# Altium PCB Scratch.PcbDoc (continued)
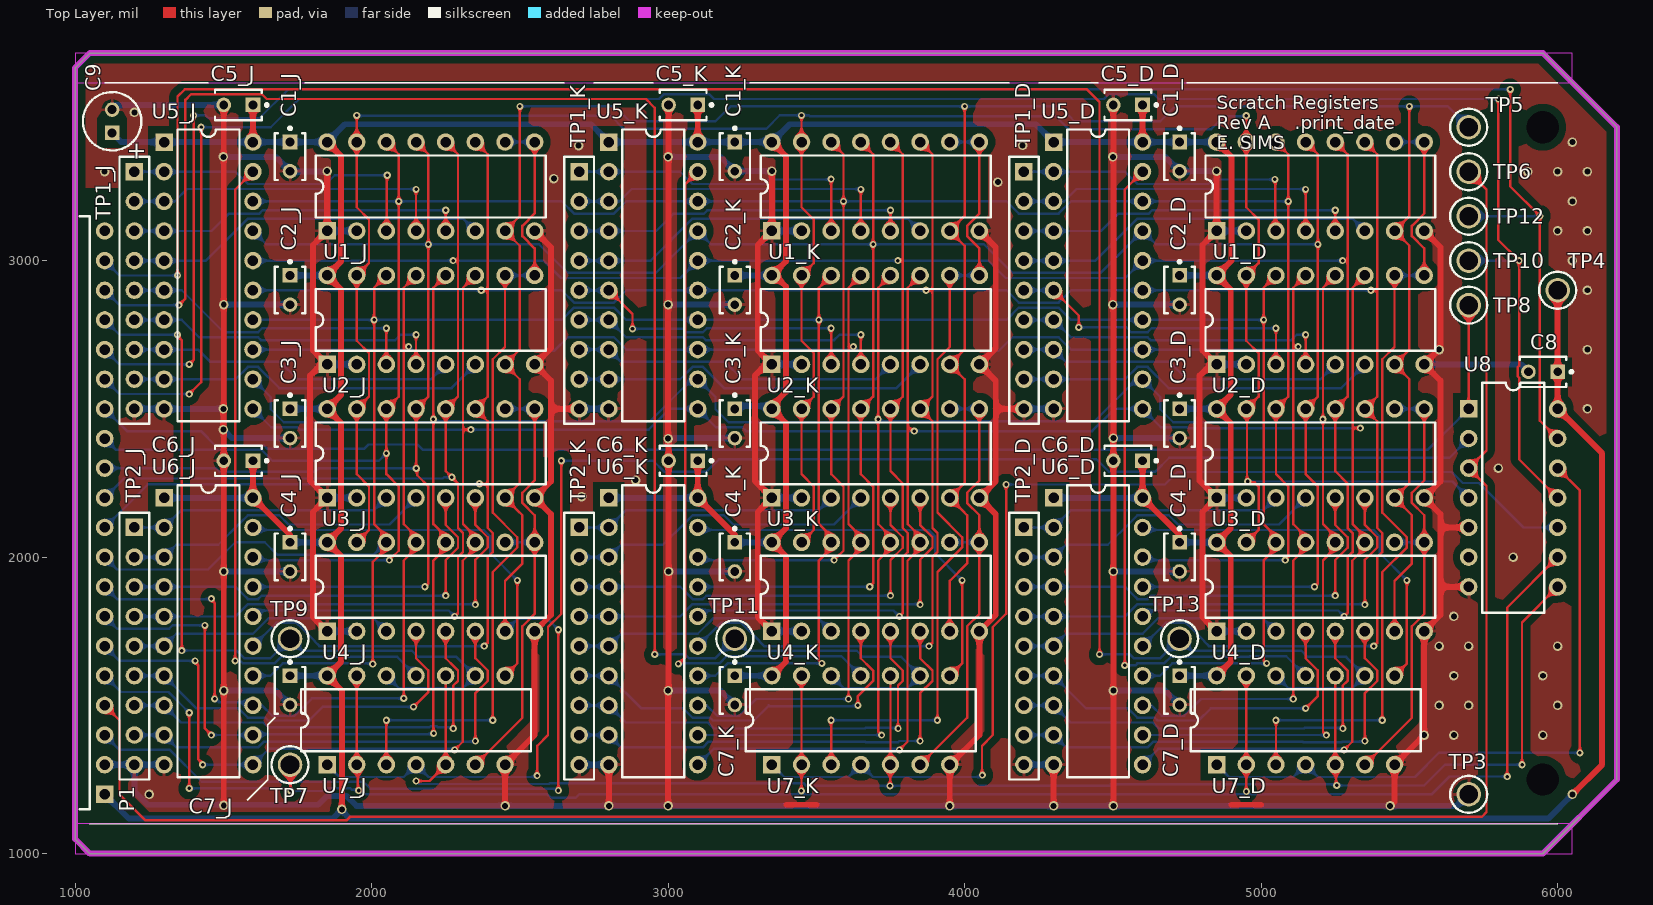
[diagram p0: Top Layer view]
## Nets (pads, with @x,y where several pads share a name; then routed paths per layer and width w, separated by ;. In a path a pad name is that pad's centre, name@x,y a point inside that pad or via, vN(x,y) a via of type N, cw(c..) or ccw(c..) an arc to the next point about the centre after c; other vN are vias at no path point) (continued)
CLK: P1.3 TP5.1 U1_D.7 U1_J.7 U1_K.7 U2_D.7 U2_J.7 U2_K.7 U3_D.7 U3_J.7 U3_K.7 U4_D.7 U4_J.7 U4_K.7 | length 11440.8
  Top Layer w8: U4_J.7 2450,1920 2508.47,1978.47 2508.47,2141.53 2492.6,2157.4 U3_J.7 2500,2250 2500,2600 U2_J.7 2500,2700 2500,3050 U1_J.7 2500,3150 v1(2500,3520) ; v1(2630,1213) v1(2630,1755) ; U4_K.7 3950,1920 4008.47,1978.47 4008.47,2141.53 3992.6,2157.4 U3_K.7 4000,2250 4000,2600 U2_K.7 4000,2700 4000,3050 U1_K.7 4000,3150 v1(4000,3520) ; U4_D.7 5450,1920 5508.47,1978.47 5508.47,2141.53 5492.6,2157.4 U3_D.7 5500,2250 5500,2600 U2_D.7 5500,2700 5500,3050 U1_D.7 5500,3150 v1(5500,3520)
  Bottom Layer w8: P1.3 1150,1350 1320,1350 1427.53,1242.47 1972.53,1242.47 1996,1219 2626,1219 2630,1215 v1(2630,1213) ; U4_J.7 2491.53,1791.53 2593.47,1791.53 v1(2630,1755) ; v1(2500,3520) 2820,3520 2851.61,3488.39 2870,3470 3160,3470 3210,3520 v1(4000,3520) 4320,3520 4351.61,3488.39 4370,3470 4660,3470 4710,3520 v1(5500,3520) 5630,3520 TP5.1
DI: U7_D.1 U7_D.4 U8.12 | length 2301.4
  Top Layer w8: U8.12 6075,2225 v1(6075,1340)
  Bottom Layer w8: U7_D.1 4891.53,1258.47 5108.47,1258.47 U7_D.4 5191.53,1258.47 5518.47,1258.47 5600,1340 v1(6075,1340)
DI#: P1.16 TP12.1 U8.13 | length 7120.4
  Top Layer w8: v1(1385,2650) 1400,2665 v1(1400,3490) ; v1(5840,3577.61) 5840,3250 v1(5940,3150) 5940,2460 U8.13
  Bottom Layer w8: P1.16 1150,2650 v1(1385,2650) ; v1(1400,3490) 1440,3490 1450,3480 1621.18,3480 1718.79,3577.61 v1(5840,3577.61) ; TP12.1 v1(5940,3150)
DO#: P1.19 TP13.1 U7_D.9 U7_D.12 | length 7184.1
  Top Layer w8: v1(1345.67,2950) 1345.67,3553.28 1370,3577.61 4412.39,3577.61 4455,3535 v1(4455,1672)
  Bottom Layer w8: P1.19 1150,2950 v1(1345.67,2950) ; v1(4455,1672) 4558,1672 4571.53,1658.47 4658.47,1658.47 TP13.1 4766,1684 5136,1684 5156.47,1663.53 5286.47,1663.53 U7_D.9 5308.47,1558.47 5091.53,1558.47 U7_D.12
GND: C1_D.2 C1_J.2 C1_K.2 C2_D.2 C2_J.2 C2_K.2 C3_D.2 C3_J.2 C3_K.2 C4_D.2 C4_J.2 C4_K.2 C5_D.2 C5_J.2 C5_K.2 C6_D.2 C6_J.2 C6_K.2 C7_D.2 C7_J.2 C7_K.2 C8.2 C9.2 P1.2 TP1_D.9 TP1_J.9 TP1_K.9 TP2_D.9 TP2_J.9 TP2_K.9 TP3.1 U1_D.1 U1_D.2 U1_D.8 U1_J.1 U1_J.2 U1_J.8 U1_K.1 U1_K.2 U1_K.8 U2_D.1 U2_D.2 U2_D.8 U2_J.1 U2_J.2 U2_J.8 U2_K.1 U2_K.2 U2_K.8 U3_D.1 U3_D.2 U3_D.8 U3_J.1 U3_J.2 U3_J.8 U3_K.1 U3_K.2 U3_K.8 U4_D.1 U4_D.2 U4_D.8 U4_J.1 U4_J.2 U4_J.8 U4_K.1 U4_K.2 U4_K.8 U5_D.10 U5_J.10 U5_K.10 U6_D.10 U6_J.10 U6_K.10 U7_D.7 U7_J.7 U7_K.7 U8.5 U8.7 | length 30718
  Top Layer w20: v2(1501.57,1163) v2(1501.57,1550) v2(1501.57,1951.57) C6_J.2 1501.57,2428.43 v2(1500,2430) 1500,2498.43 1501.57,2500 v2(1501.57,2851.57) 1501.57,3348.43 v2(1500,3350) 1501.57,3351.57 C5_J.2 ; U3_J.1@1840,2210 1792.47,2257.53 1792.47,2612.47 U2_J.1@1840,2660 ; U4_J.1 1802.47,1797.53 1802.47,2152.47 U3_J.1 ; U2_J.1 U2_J.1@1840,2660 ; v2(1850,3301.57) U1_J.1 1802.47,3052.47 1802.47,2697.53 U2_J.1@1840,2660 ; v2(2450,1161) U7_J.7 2550,1400 U4_J.8 2605,1805 2605,2145 U3_J.8 2605,2255 2605,2500 ; U1_J.8 2605,3045 2605,2705 U2_J.8 2605,2595 2605,2500 ; TP1_K.9 2605,2500 ; v2(2800,1161) U6_K.10 ; v2(3000,1161) v2(3000,1550) 3001.57,1551.57 v2(3001.57,1951.57) C6_K.2 3001.57,2398.43 v2(3000,2400) 3000,2850 3001.57,2851.57 3001.57,3348.43 v2(3000,3350) 3001.57,3351.57 C5_K.2 ; U3_K.1@3340,2210 3292.47,2257.53 3292.47,2612.47 U2_K.1@3340,2660 ; U4_K.1 3302.47,1797.53 3302.47,2152.47 U3_K.1 ; U2_K.1 U2_K.1@3340,2660 ; v2(3350,3301.57) U1_K.1 3302.47,3052.47 3302.47,2697.53 U2_K.1@3340,2660 ; 3400,1165 3500,1165 ; v2(3950,1161) U7_K.7 4050,1400 U4_K.8 4105,1805 4105,2145 U3_K.8 4105,2255 4105,2500 ; U1_K.8 4105,3045 4105,2705 U2_K.8 4105,2595 4105,2500 ; TP1_D.9 4105,2500 ; v2(4300,1161) U6_D.10 ; v2(4501.57,1161) v2(4501.57,1550) v2(4501.57,1951.57) C6_D.2 4501.57,2396.57 v2@4504,2399 ; C5_D.2 4501.57,3351.57 v2(4500,3350) 4501.57,3348.43 4501.57,2403.43 4505,2400 v2@4504,2399 ; v2@4503,2400 v2@4504,2399 ; U3_D.1@4840,2210 4792.47,2257.53 4792.47,2612.47 U2_D.1@4840,2660 ; U4_D.1 4802.47,1797.53 4802.47,2152.47 U3_D.1 ; U2_D.1 U2_D.1@4840,2660 ; v2(4850,3301.57) U1_D.1 4802.47,3052.47 4802.47,2697.53 U2_D.1@4840,2660 ; 4900,1165 5000,1165 ; v2(5435,1161) 5435.5,1160.5 5450,1175 U7_D.7 v2(5550,1400) U4_D.8 5605,1805 5605,1900 ; U1_D.8 5605,3045 5605,2705 v2(5600,2700) U2_D.8 5605,2595 5605,2255 U3_D.8 5605,2145 5605,2100 ; U8.7 5605,1900 ; U8.5 5605,2100 ; 5605,1900 5605,2100
  Bottom Layer w20: P1.2 TP2_J.9 ; C9.2 1140.63,3525 C5_J.2 ; TP1_J.9 U5_J.10 v2(1500,2500) ; U6_J.10 TP2_J.9 ; v2@1500,1550 v2(1501.57,1550) 1676.57,1550 C7_J.2 ; v2@1500,1951.57 v2(1501.57,1951.57) C4_J.2 ; v2(1500,2430) 1528.43,2401.57 C3_J.2 ; v2(1500,3350) 1676.57,3350 C1_J.2 1726.57,3300 1850,3300 v2(1850,3301.57) ; v2(1501.57,1163) v2@1501.57,1165 ; v2(1501.57,2851.57) C2_J.2 ; U4_J.1 U4_J.2 ; U3_J.1 U3_J.2 ; U2_J.1 U2_J.2 ; U1_J.1 U1_J.2 ; v2(2450,1161) 1949,1161 1915,1195 1850,1195 1820,1165 v2@1501.57,1165 ; v2@2453,1158 2456,1161 v2(2800,1161) v2(3000,1161) 3944,1161 v2@3947,1158 ; TP2_K.9 U6_K.10 ; TP1_K.9 U5_K.10 ; v2(3000,1550) 3176.57,1550 C7_K.2 ; v2@3000,1951.57 v2(3001.57,1951.57) C4_K.2 ; v2(3000,2400) 3001.57,2401.57 C3_K.2 ; v2(3000,2851.57) C2_K.2 ; v2(3000,3350) 3176.57,3350 C1_K.2 v2(3350,3301.57) ; U4_K.1 U4_K.2 ; U3_K.1 U3_K.2 ; U2_K.1 U2_K.2 ; U1_K.1 U1_K.2 ; v2(3950,1161) v2@3947,1158 ; TP2_D.9 U6_D.10 ; TP1_D.9 U5_D.10 ; v2(4300,1161) v2@4300.5,1160.5 ; v2@4500,1550 v2(4501.57,1550) 4676.57,1550 C7_D.2 ; v2@4500,1951.57 v2(4501.57,1951.57) C4_D.2 ; v2(4500,2851.57) C2_D.2 ; v2(4500,3350) 4676.57,3350 C1_D.2 v2(4850,3301.57) ; v2(4501.57,2401.57) C3_D.2 ; U4_D.1 U4_D.2 ; U3_D.1 U3_D.2 ; U2_D.1 U2_D.2 ; U1_D.1 U1_D.2 ; v2(5435,1161) v2@5435,1160 ; U2_D.8 5876.57,2650 C8.2 ; TP3.1 5660,1160 v2@5435,1160 ; TP2_J.9 1200,1210 1245,1165 v2@1501.57,1165 ; v2@3947,1158 3950,1155 3956,1161 3957,1160 4300,1160 v2@4300.5,1160.5 ; v2@4300.5,1160.5 4301,1161 v2(4501.57,1161) 4502.57,1160 v2@5435,1160
  other v2: 1250,1200 5650,1400 5950,1400 5600,1500 5700,1500 6000,1500 5650,1600 5950,1600 5600,1700 5700,1700 6000,1700 5650,1800 5850,2000 2708.64,2204.03 2890.8,2259.57 5800,2300 6100,2500 6100,2700 6100,2900 6050,3000 6000,3100 6100,3100 6050,3200 4112.4,3265.08 2614.7,3276.65 1100,3300 5900,3300 6000,3300 6100,3300 2697.98,3387.69 4195.3,3388.97 6050,3400 1200,3500
JI: U7_J.1 U7_J.4 U8.2 | length 5016.2
  Top Layer w8: v1(2558.47,1263) 2558.47,1363.47 2595,1400 2595,1763.89 2640,1808.89 v1(2640,2325)
  Bottom Layer w8: U7_J.1 1891.53,1258.47 2108.47,1258.47 U7_J.4 2191.53,1258.47 2558.47,1258.47 v1(2558.47,1263) ; v1(2640,2325) 2949.8,2325 2986.41,2288.39 3129.58,2288.39 3171.18,2330 4444.8,2330 4486.41,2288.39 4643.39,2288.39 4690,2335 5635,2335 U8.2
JI#: P1.14 TP8.1 U8.1 | length 5085.8
  Top Layer w8: U8.1 TP8.1 TP8.1@5700,2858.66
  Bottom Layer w8: P1.14 1175,2425 1425,2425 1472.39,2377.61 1636.2,2377.61 1648.84,2364.97 1975,2364.97 1990.03,2380 2155,2380 2173.39,2361.61 5561.61,2361.61 U8.1
JO#: P1.17 TP9.1 U7_J.9 U7_J.12 | length 2756.6
  Top Layer w8: v1(1345,2750) 1345,2746.06 1360,2731.06 v1(1360,1685)
  Bottom Layer w8: P1.17 1150,2750 v1(1345,2750) v1@1350,2750 ; v1(1360,1685) 1545,1685 1571.53,1658.47 1658.47,1658.47 TP9.1 1766,1684 2136,1684 2156.47,1663.53 2286.47,1663.53 U7_J.9 2308.47,1558.47 2091.53,1558.47 U7_J.12
KI: U7_K.1 U7_K.4 U8.10 | length 3733.6
  Top Layer w8: v1(4060,1265) 4058.47,1266.53 4058.47,1363.47 4095,1400 4095,1763.89 4140,1808.89 v1(4140,2245)
  Bottom Layer w8: U7_K.1 3391.53,1258.47 3608.47,1258.47 U7_K.4 3691.53,1258.47 4053.47,1258.47 v1(4060,1265) ; v1(4140,2245) 4675,2245 4717,2287 5643,2287 5680,2250 5735,2250 5885,2100 U8.10
KI#: P1.15 TP10.1 U8.11 | length 7266.2
  Top Layer w8: v1(1385,2550) 1425,2590 v1(1425,3450) ; v1(5800,3545) 5800,3070 v1(5870,3000) 5870,2645.2 5864.97,2640.16 5864.97,2609.84 5870,2604.8 5870,2330 U8.11
  Bottom Layer w8: P1.15 1150,2550 v1(1385,2550) ; v1(1425,3450) 1660,3450 1755,3545 2969.8,3545 2986.41,3561.61 3138.39,3561.61 3155,3545 4469.8,3545 4486.41,3561.61 4638.39,3561.61 4655,3545 v1(5800,3545) ; TP10.1 v1(5870,3000)
KO#: P1.18 TP11.1 U7_K.9 U7_K.12 | length 5739.6
  Top Layer w8: v1(1350,2850) 1372,2872 1372,3542 1391.61,3561.61 1629.58,3561.61 1646.18,3545 2925,3545 2955,3515 v1(2955,1672)
  Bottom Layer w8: P1.18 1150,2850 v1(1350,2850) ; v1(2955,1672) 3058,1672 3071.53,1658.47 3158.47,1658.47 TP11.1 3266,1684 3636,1684 3656.47,1663.53 3786.47,1663.53 U7_K.9 3808.47,1558.47 3591.53,1558.47 U7_K.12
LM: U7_D.5 U7_D.10 U7_J.5 U7_J.10 U7_K.5 U7_K.10 U8.8 | length 5588
  Top Layer w8: v1(2150,1245) 2195,1245 U7_J.5 U7_J.10 ; v1(3748.42,1228.42) 3749.21,1229.21 3749.21,1299.21 U7_K.5 U7_K.10 ; U7_D.10 U7_D.5 5252.5,1297.5 5252.5,1232.5 v1(5255,1230) ; v1(5880,1300) 5880,1780 U8.8
  Bottom Layer w8: v1(2150,1245) 2160,1235 2597.94,1235 2599.94,1237 3458.08,1237 3466.67,1228.42 v1(3748.42,1228.42) 4487.94,1228.42 4493.16,1233.64 5247.03,1233.64 5250.67,1230 v1(5255,1230) 5550,1230 5620,1300 v1(5880,1300)
LM#: P1.5 TP7.1 U7_D.2 U7_D.13 U7_J.2 U7_J.13 U7_K.2 U7_K.13 U8.9 | length 7172.6
  Top Layer w8: v1(1385,1220) v1(1385,1475) ; TP7.1 1726.25,1298.75 1726.25,1212.7 v1(1727.5,1211.45) ; U7_J.13 U7_J.2 1953.88,1296.12 1953.88,1216.12 v1(1956.94,1213.06) ; v1(3449.29,1211.85) 3450,1212.56 U7_K.2 U7_K.13 ; U7_D.13 U7_D.2 4950,1209.72 v1(4950.07,1209.64) ; v1(5830,1260) 5830,1830 U8.9
  Bottom Layer w8: P1.5 1155,1545 1315,1545 v1(1385,1475) ; v1(1385,1220) 1714.62,1220 1723.17,1211.45 v1(1727.5,1211.45) 1834.45,1211.45 1842.99,1220 1928.94,1220 1932.94,1216 1954,1216 v1(1956.94,1213.06) 1961.27,1213.06 1974.33,1200 2592.98,1200 2603.98,1189 2689,1189 2700,1200 3437.44,1200 v1(3449.29,1211.85) 3461.14,1200 4940.43,1200 v1(4950.07,1209.64) 4959.72,1200 5575,1200 5635,1260 v1(5830,1260)
LOAD_LSB#_D: U1_D.9 U1_D.10 U2_D.9 U2_D.10 U7_D.3 | length 2778.9
  Top Layer w8: U7_D.3 v1(5050,1450) ; v1(5408.47,1450) 5408.47,1949.74 5491.53,2032.8 5491.53,2067.2 5408.47,2150.26 5408.47,2667.2 5450,2708.73 U2_D.10 ; U2_D.9 5550,3041.27 5508.47,3082.8 5508.47,3117.2 5550,3158.73 U1_D.9
  Bottom Layer w8: v1(5050,1450) v1(5408.47,1450) ; U2_D.10 U2_D.9 ; U1_D.10 U1_D.9
LOAD_LSB#_J: U1_J.9 U1_J.10 U2_J.9 U2_J.10 U7_J.3 | length 2778.9
  Top Layer w8: U7_J.3 v1(2050,1450) ; v1(2408.47,1450) 2408.47,1949.74 2491.53,2032.8 2491.53,2067.2 2408.47,2150.26 2408.47,2667.2 2450,2708.73 U2_J.10 ; U2_J.9 2550,3041.27 2508.47,3082.8 2508.47,3117.2 2550,3158.73 U1_J.9
  Bottom Layer w8: v1(2050,1450) v1(2408.47,1450) ; U2_J.10 U2_J.9 ; U1_J.10 U1_J.9
LOAD_LSB#_K: U1_K.9 U1_K.10 U2_K.9 U2_K.10 U7_K.3 | length 2778.9
  Top Layer w8: U7_K.3 v1(3550,1450) ; v1(3908.47,1450) 3908.47,1949.74 3991.53,2032.8 3991.53,2067.2 3908.47,2150.26 3908.47,2667.2 3950,2708.73 U2_K.10 ; U2_K.9 4050,3041.27 4008.47,3082.8 4008.47,3117.2 4050,3158.73 U1_K.9
  Bottom Layer w8: v1(3550,1450) v1(3908.47,1450) ; U2_K.10 U2_K.9 ; U1_K.10 U1_K.9
LOAD_MSB#_D: U3_D.9 U3_D.10 U4_D.9 U4_D.10 U7_D.6 | length 1517.2
  Top Layer w8: U7_D.6 5508.47,1458.47 5508.47,1767.2 5550,1808.73 U4_D.9 5550,2141.27 5508.47,2182.8 5508.47,2217.2 5550,2258.73 U3_D.9
  Bottom Layer w8: U4_D.10 U4_D.9 ; U3_D.10 U3_D.9
LOAD_MSB#_J: U3_J.9 U3_J.10 U4_J.9 U4_J.10 U7_J.6 | length 1517.2
  Top Layer w8: U7_J.6 2508.47,1458.47 2508.47,1767.2 2550,1808.73 U4_J.9 2550,2141.27 2508.47,2182.8 2508.47,2217.2 2550,2258.73 U3_J.9
  Bottom Layer w8: U4_J.10 U4_J.9 ; U3_J.10 U3_J.9
LOAD_MSB#_K: U3_K.9 U3_K.10 U4_K.9 U4_K.10 U7_K.6 | length 1517.2
  Top Layer w8: U7_K.6 4008.47,1458.47 4008.47,1767.2 4050,1808.73 U4_K.9 4050,2141.27 4008.47,2182.8 4008.47,2217.2 4050,2258.73 U3_K.9
  Bottom Layer w8: U4_K.10 U4_K.9 ; U3_K.10 U3_K.9
OUT_LSB#_D: U5_D.19 U7_D.11 | length 2339.6
  Top Layer w8: v1(4540,1635) 4540,3240 U5_D.19
  Bottom Layer w8: v1(4540,1635) 4576.27,1635 4582.8,1641.53 4673,1641.53 4695,1663.53 4960,1663.53 4962,1665.53 5084.47,1665.53 U7_D.11
OUT_LSB#_J: U5_J.19 U7_J.11 | length 2323.8
  Top Layer w8: v1(1540,1650) 1540,3240 U5_J.19
  Bottom Layer w8: v1(1540,1650) 1543.06,1646.94 1560.43,1646.94 1565.85,1641.53 1673,1641.53 1695,1663.53 2086.47,1663.53 U7_J.11
OUT_LSB#_K: U5_K.19 U7_K.11 | length 2339.6
  Top Layer w8: v1(3035,1640) 3058.47,1663.47 3058.47,3258.47 U5_K.19
  Bottom Layer w8: v1(3035,1640) 3036.53,1641.53 3173,1641.53 3197,1665.53 3584.47,1665.53 U7_K.11
OUT_MSB#_D: U6_D.19 U7_D.8 | length 1337.5
  Top Layer w8: U7_D.8 5491.53,1641.53 v1(5491.53,1921.53)
  Bottom Layer w8: U6_D.19 4608.47,2091.53 5378.47,2091.53 5400,2070 5400,2013.06 v1(5491.53,1921.53)
OUT_MSB#_J: U6_J.19 U7_J.8 | length 1337.5
  Top Layer w8: U7_J.8 2491.53,1641.53 v1(2491.53,1921.53)
  Bottom Layer w8: U6_J.19 1608.47,2091.53 2378.47,2091.53 2400,2070 2400,2013.06 v1(2491.53,1921.53)
OUT_MSB#_K: U6_K.19 U7_K.8 | length 1337.5
  Top Layer w8: U7_K.8 3991.53,1641.53 v1(3991.53,1921.53)
  Bottom Layer w8: U6_K.19 3108.47,2091.53 3878.47,2091.53 3900,2070 3900,2013.06 v1(3991.53,1921.53)
REG0_D: TP1_D.1 U1_D.3 U5_D.2 | length 1045.1
  Top Layer w8: v1(5046.25,3273.75) 5048.12,3271.88 5048.12,3101.88 U1_D.3
  Bottom Layer w8: TP1_D.1 U5_D.2 4541.27,3300 4582.8,3258.47 4821.92,3258.47 4837.02,3273.57 5046.07,3273.57 v1(5046.25,3273.75)
REG0_J: TP1_J.1 U1_J.3 U5_J.2 | length 1071.1
  Top Layer w8: U1_J.3 2051.41,3101.41 2051.41,3286.41 v1(2052.81,3287.81)
  Bottom Layer w8: TP1_J.1 U5_J.2 1541.27,3300 1582.8,3258.47 1846.5,3258.47 1875.84,3287.81 v1(2052.81,3287.81)
REG0_K: TP1_K.1 U1_K.3 U5_K.2 | length 1049
  Top Layer w8: U1_K.3 v1(3550,3275)
  Bottom Layer w8: TP1_K.1 U5_K.2 3041.27,3300 3082.8,3258.47 3323.17,3258.47 3338.27,3273.57 3548.57,3273.57 v1(3550,3275)
REG1_D: TP1_D.2 U1_D.4 U5_D.3 | length 1107.8
  Top Layer w8: U1_D.4 v1(5150,3240)
  Bottom Layer w8: TP1_D.2 U5_D.3 4336.1,3200 4377.63,3241.53 5148.47,3241.53 v1(5150,3240)
REG1_J: TP1_J.2 U1_J.4 U5_J.3 | length 1107.8
  Top Layer w8: U1_J.4 v1(2150,3240)
  Bottom Layer w8: TP1_J.2 U5_J.3 1336.1,3200 1377.63,3241.53 2148.47,3241.53 v1(2150,3240)
REG1_K: TP1_K.2 U1_K.4 U5_K.3 | length 1107.8
  Top Layer w8: U1_K.4 v1(3650,3240)
  Bottom Layer w8: TP1_K.2 U5_K.3 2836.1,3200 2877.63,3241.53 3648.47,3241.53 v1(3650,3240)
REG2_D: TP1_D.3 U1_D.5 U5_D.4 | length 1149
  Top Layer w8: U1_D.5 v1(5250,3170)
  Bottom Layer w8: TP1_D.3 U5_D.4 4460,3100 4517.53,3157.53 4620,3157.53 4632.47,3170 v1(5250,3170)
REG2_J: TP1_J.3 U1_J.5 U5_J.4 | length 1149
  Top Layer w8: U1_J.5 v1(2250,3170)
  Bottom Layer w8: TP1_J.3 U5_J.4 1460,3100 1517.53,3157.53 1620,3157.53 1632.47,3170 v1(2250,3170)
REG2_K: TP1_K.3 U1_K.5 U5_K.4 | length 1149
  Top Layer w8: U1_K.5 v1(3750,3170)
  Bottom Layer w8: TP1_K.3 U5_K.4 2960,3100 3017.53,3157.53 3120,3157.53 3132.47,3170 v1(3750,3170)
REG3_D: TP1_D.4 U1_D.6 U5_D.5 | length 1225.8
  Bottom Layer w8: TP1_D.4 U5_D.5 4441.27,3000 4582.8,3141.53 5308.47,3141.53 U1_D.6
REG3_J: TP1_J.4 U1_J.6 U5_J.5 | length 1225.8
  Bottom Layer w8: TP1_J.4 U5_J.5 1441.27,3000 1582.8,3141.53 2308.47,3141.53 U1_J.6
REG3_K: TP1_K.4 U1_K.6 U5_K.5 | length 1225.8
  Bottom Layer w8: TP1_K.4 U5_K.5 2941.27,3000 3082.8,3141.53 3808.47,3141.53 U1_K.6
REG4_D: TP1_D.5 U2_D.3 U5_D.6 | length 1059.7
  Top Layer w8: U5_D.6 4385,2815 v1(4385,2775) ; U2_D.3 v1(5050,2772)
  Bottom Layer w8: TP1_D.5 U5_D.6 ; v1(4385,2775) 4545,2775 4561.53,2758.47 4617.2,2758.47 4630.73,2772 v1(5050,2772)
REG4_J: TP1_J.5 U2_J.3 U5_J.6 | length 1036.2
  Top Layer w8: U2_J.3 v1(2050,2772)
  Bottom Layer w8: TP1_J.5 U5_J.6 1360,2900 1501.53,2758.47 1617.2,2758.47 1630.73,2772 v1(2050,2772)
REG4_K: TP1_K.5 U2_K.3 U5_K.6 | length 1065.5
  Top Layer w8: U5_K.6 2880,2820 v1(2880,2770) ; U2_K.3 v1(3550,2772)
  Bottom Layer w8: TP1_K.5 U5_K.6 ; v1(2880,2770) 3050,2770 3061.53,2758.47 3117.2,2758.47 3130.73,2772 v1(3550,2772)
REG5_D: TP1_D.6 U2_D.4 U5_D.7 | length 1085.6
  Top Layer w8: U2_D.4 v1(5150,2750)
  Bottom Layer w8: TP1_D.6 U5_D.7 4358.47,2741.53 4617.2,2741.53 4626.73,2732 5102,2732 5120,2750 v1(5150,2750)
REG5_J: TP1_J.6 U2_J.4 U5_J.7 | length 1085.6
  Top Layer w8: U2_J.4 v1(2150,2750)
  Bottom Layer w8: TP1_J.6 U5_J.7 1360,2800 1418.47,2741.53 1617.2,2741.53 1626.73,2732 2080,2732 2098,2750 v1(2150,2750)
REG5_K: TP1_K.6 U2_K.4 U5_K.7 | length 1085.6
  Top Layer w8: U2_K.4 v1(3650,2750)
  Bottom Layer w8: TP1_K.6 U5_K.7 2858.47,2741.53 3117.2,2741.53 3126.73,2732 3560,2732 3578,2750 v1(3650,2750)
REG6_D: TP1_D.7 U2_D.5 U5_D.8 | length 1112.1
  Bottom Layer w8: TP1_D.7 U5_D.8 4341.53,2658.47 4691.53,2658.47 4750,2600 5200,2600 U2_D.5
REG6_J: TP1_J.7 U2_J.5 U5_J.8 | length 1112.1
  Bottom Layer w8: TP1_J.7 U5_J.8 1415,2700 1456.53,2658.47 1691.53,2658.47 1750,2600 2200,2600 U2_J.5
REG6_K: TP1_K.7 U2_K.5 U5_K.8 | length 1112.1
  Bottom Layer w8: TP1_K.7 U5_K.8 2841.53,2658.47 3191.53,2658.47 3250,2600 3700,2600 U2_K.5
REG7_D: TP1_D.8 U2_D.6 U5_D.9 | length 1230
  Bottom Layer w8: TP1_D.8 U5_D.9 4541.27,2600 4582.8,2641.53 4617.2,2641.53 4688.73,2570 5270,2570 U2_D.6
REG7_J: TP1_J.8 U2_J.6 U5_J.9 | length 1230
  Bottom Layer w8: TP1_J.8 U5_J.9 1541.27,2600 1582.8,2641.53 1617.2,2641.53 1688.73,2570 2270,2570 U2_J.6
REG7_K: TP1_K.8 U2_K.6 U5_K.9 | length 1230
  Bottom Layer w8: TP1_K.8 U5_K.9 3041.27,2600 3082.8,2641.53 3117.2,2641.53 3188.73,2570 3770,2570 U2_K.6
REG8_D: TP2_D.1 U3_D.3 U6_D.2 | length 891.4
  Bottom Layer w8: TP2_D.1 U6_D.2 4358.47,2158.47 5008.47,2158.47 U3_D.3
REG8_J: TP2_J.1 U3_J.3 U6_J.2 | length 891.4
  Bottom Layer w8: TP2_J.1 U6_J.2 1358.47,2158.47 2008.47,2158.47 U3_J.3
REG8_K: TP2_K.1 U3_K.3 U6_K.2 | length 891.4
  Bottom Layer w8: TP2_K.1 U6_K.2 2858.47,2158.47 3508.47,2158.47 U3_K.3
REG9_D: TP2_D.2 U3_D.4 U6_D.3 | length 1059
  Bottom Layer w8: TP2_D.2 U6_D.3 4341.53,2041.53 4482.8,2041.53 4558.47,2117.2 4582.8,2141.53 4688.47,2141.53 4720,2110 5060,2110 U3_D.4
REG9_J: TP2_J.2 U3_J.4 U6_J.3 | length 1059
  Bottom Layer w8: TP2_J.2 U6_J.3 1341.53,2041.53 1482.8,2041.53 1558.47,2117.2 1582.8,2141.53 1688.47,2141.53 1720,2110 2060,2110 U3_J.4
REG9_K: TP2_K.2 U3_K.4 U6_K.3 | length 1059
  Bottom Layer w8: TP2_K.2 U6_K.3 2841.53,2041.53 2982.8,2041.53 3058.47,2117.2 3082.8,2141.53 3188.47,2141.53 3220,2110 3560,2110 U3_K.4
REG10_D: TP2_D.3 U3_D.5 U6_D.4 | length 1436.4
  Top Layer w8: v1(5250,1870) 5250,1990 5291.53,2031.53 5291.53,2067.2 5250,2108.73 U3_D.5
  Bottom Layer w8: TP2_D.3 U6_D.4 4541.27,1900 4565.64,1875.64 4582.8,1858.47 4617.2,1858.47 4628.73,1870 v1(5250,1870)
REG10_J: TP2_J.3 U3_J.5 U6_J.4 | length 1436.4
  Top Layer w8: v1(2250,1870) 2250,1990 2291.53,2031.53 2291.53,2067.2 2250,2108.73 U3_J.5
  Bottom Layer w8: TP2_J.3 U6_J.4 1541.27,1900 1565.64,1875.64 1582.8,1858.47 1617.2,1858.47 1628.73,1870 v1(2250,1870)
REG10_K: TP2_K.3 U3_K.5 U6_K.4 | length 1436.4
  Top Layer w8: v1(3750,1870) 3750,1990 3791.53,2031.53 3791.53,2067.2 3750,2108.73 U3_K.5
  Bottom Layer w8: TP2_K.3 U6_K.4 3041.27,1900 3065.64,1875.64 3082.8,1858.47 3117.2,1858.47 3128.73,1870 v1(3750,1870)
REG11_D: TP2_D.4 U3_D.6 U6_D.5 | length 1562.2
  Top Layer w8: v1(5350,1840) 5350,1991.27 5391.53,2032.8 5391.53,2067.2 5350,2108.73 U3_D.6
  Bottom Layer w8: TP2_D.4 U6_D.5 4541.27,1800 4582.8,1841.53 5348.47,1841.53 v1(5350,1840)
REG11_J: TP2_J.4 U3_J.6 U6_J.5 | length 1562.2
  Top Layer w8: v1(2350,1840) 2350,1991.27 2391.53,2032.8 2391.53,2067.2 2350,2108.73 U3_J.6
  Bottom Layer w8: TP2_J.4 U6_J.5 1541.27,1800 1582.8,1841.53 2348.47,1841.53 v1(2350,1840)
REG11_K: TP2_K.4 U3_K.6 U6_K.5 | length 1562.2
  Top Layer w8: v1(3850,1840) 3850,1991.27 3891.53,2032.8 3891.53,2067.2 3850,2108.73 U3_K.6
  Bottom Layer w8: TP2_K.4 U6_K.5 3041.27,1800 3082.8,1841.53 3848.47,1841.53 v1(3850,1840)
REG12_D: TP2_D.5 U4_D.3 U6_D.6 | length 907.4
  Bottom Layer w8: TP2_D.5 U6_D.6 4341.53,1741.53 4600.26,1741.53 4653.07,1794.34 5005.66,1794.34 U4_D.3
REG12_J: TP2_J.5 U4_J.3 U6_J.6 | length 907.4
  Bottom Layer w8: TP2_J.5 U6_J.6 1341.53,1741.53 1600.26,1741.53 1653.07,1794.34 2005.66,1794.34 U4_J.3
REG12_K: TP2_K.5 U4_K.3 U6_K.6 | length 907.4
  Bottom Layer w8: TP2_K.5 U6_K.6 2841.53,1741.53 3100.26,1741.53 3153.07,1794.34 3505.66,1794.34 U4_K.3
REG13_D: TP2_D.6 U4_D.4 U6_D.7 | length 1324
  Top Layer w8: v1(5150,1490) 5191.53,1531.53 5191.53,1617.2 5184.36,1624.36 5150,1658.73 U4_D.4
  Bottom Layer w8: TP2_D.6 U6_D.7 4410,1490 4551.27,1490 4582.8,1458.47 4641.53,1458.47 4651.03,1448.97 4788.97,1448.97 4830,1490 v1(5150,1490)
REG13_J: TP2_J.6 U4_J.4 U6_J.7 | length 1316.1
  Top Layer w8: v1(2141.34,1495) 2141.54,1495 2191.53,1544.99 2191.53,1617.2 2184.36,1624.36 2150,1658.73 U4_J.4
  Bottom Layer w8: TP2_J.6 U6_J.7 1410,1490 1551.27,1490 1582.8,1458.47 1641.53,1458.47 1651.03,1448.97 1788.97,1448.97 1835,1495 v1(2141.34,1495)
REG13_K: TP2_K.6 U4_K.4 U6_K.7 | length 1314.3
  Top Layer w8: v1(3640,1500) 3640,1531.27 3691.53,1582.8 3691.53,1617.2 3684.36,1624.36 3650,1658.73 U4_K.4
  Bottom Layer w8: TP2_K.6 U6_K.7 2910,1490 3051.27,1490 3082.8,1458.47 3141.53,1458.47 3151.03,1448.97 3288.97,1448.97 3340,1500 3342.47,1497.53 3637.53,1497.53 v1(3640,1500)
REG14_D: TP2_D.7 U4_D.5 U6_D.8 | length 1463.3
  Top Layer w8: U4_D.5 5250,1658.73 5279.36,1629.36 5291.53,1617.2 5291.53,1582.8 5275.53,1566.8 v1(5275.53,1422) v1@5275.53,1420
  Bottom Layer w8: TP2_D.7 U6_D.8 4357.53,1442.47 4634.9,1442.47 4655.37,1422 5145,1422 5147,1424 5273.53,1424 v1(5275.53,1422)
REG14_J: TP2_J.7 U4_J.5 U6_J.8 | length 1464.8
  Top Layer w8: U4_J.5 2250,1658.73 2279.36,1629.36 2291.53,1617.2 2291.53,1582.8 2275.53,1566.8 v1(2275.53,1422) v1@2275.53,1420
  Bottom Layer w8: TP2_J.7 U6_J.8 1357.53,1442.47 1634.9,1442.47 1651.37,1426 2195.53,1426 2199.3,1429.76 2219.18,1429.76 2222.94,1426 2262.84,1426 2263.78,1425.06 2272.47,1425.06 v1(2275.53,1422)
REG14_K: TP2_K.7 U4_K.5 U6_K.8 | length 1463.3
  Top Layer w8: U4_K.5 3750,1658.73 3779.36,1629.36 3791.53,1617.2 3791.53,1582.8 3775.53,1566.8 v1(3775.53,1422) v1@3775.53,1420
  Bottom Layer w8: TP2_K.7 U6_K.8 2857.53,1442.47 3134.9,1442.47 3155.37,1422 3665,1422 3667,1424 3773.53,1424 v1(3775.53,1422)
REG15_D: TP2_D.8 U4_D.6 U6_D.9 | length 1582.2
  Top Layer w8: v1(5350,1380) 5350,1541.27 5391.53,1582.8 5391.53,1617.2 5350,1658.73 U4_D.6
  Bottom Layer w8: TP2_D.8 U6_D.9 4341.53,1358.47 4617.2,1358.47 4636.73,1378 5140,1378 5142,1376 5271.53,1376 5273.53,1378 5348,1378 v1(5350,1380)
REG15_J: TP2_J.8 U4_J.6 U6_J.9 | length 1580.5
  Top Layer w8: v1(2350,1380) 2350,1541.27 2391.53,1582.8 2391.53,1617.2 2350,1658.73 U4_J.6
  Bottom Layer w8: TP2_J.8 U6_J.9 1341.53,1358.47 1617.2,1358.47 1636.73,1378 2348,1378 v1(2350,1380)
REG15_K: TP2_K.8 U4_K.6 U6_K.9 | length 1582.2
  Top Layer w8: v1(3850,1380) 3850,1541.27 3891.53,1582.8 3891.53,1617.2 3850,1658.73 U4_K.6
  Bottom Layer w8: TP2_K.8 U6_K.9 2841.53,1358.47 3117.2,1358.47 3136.73,1378 3665,1378 3667,1376 3775.86,1376 3779.86,1380 v1(3850,1380)
RST: U1_D.15 U1_J.15 U1_K.15 U2_D.15 U2_J.15 U2_K.15 U3_D.15 U3_J.15 U3_K.15 U4_D.15 U4_J.15 U4_K.15 U8.4 | length 8482.1
  Top Layer w8: U4_J.15 1991.53,2091.53 1991.53,2238.47 1950,2280 U3_J.15 1991.53,2541.53 1991.53,2688.47 1950,2730 U2_J.15 1991.53,2991.53 1991.53,3138.47 1950,3180 U1_J.15 v1(1950,3490) ; U4_K.15 3491.53,2091.53 3491.53,2238.47 3450,2280 U3_K.15 3491.53,2541.53 3491.53,2688.47 3450,2730 U2_K.15 3491.53,2991.53 3491.53,3138.47 3450,3180 U1_K.15 v1(3450,3490) ; U4_D.15 4991.53,2091.53 4991.53,2238.47 4978.06,2251.94 4958.06,2251.94 v1(4955,2255) 4952.5,2257.5 4952.5,2497.5 U3_D.15 4991.53,2541.53 4991.53,2688.47 4950,2730 U2_D.15 4991.53,2991.53 4991.53,3138.47 4950,3180 U1_D.15 v1(4950,3488.39)
  Bottom Layer w8: v1(1950,3490) 1951.61,3488.39 2806.61,3488.39 2850,3445 3331.61,3445 3376.61,3490 v1(3450,3490) 3474.79,3490 3478,3486.79 4306.61,3486.79 4350,3443.39 4831.61,3443.39 4875,3486.79 v1@4950,3486.79 ; v1(4955,2255) 5645,2255 U8.4
RST#: P1.4 TP6.1 U8.3 | length 7213
  Top Layer w8: P1.4 1150,1450 1150,1200 1237.67,1112.33 1915.18,1112.33 1926.85,1124 5744,1124 5760,1140 5760,2240 U8.3 5760,2360 5760,3240 TP6.1
VCC: C1_D.1 C1_J.1 C1_K.1 C2_D.1 C2_J.1 C2_K.1 C3_D.1 C3_J.1 C3_K.1 C4_D.1 C4_J.1 C4_K.1 C5_D.1 C5_J.1 C5_K.1 C6_D.1 C6_J.1 C6_K.1 C7_D.1 C7_J.1 C7_K.1 C8.1 C9.1 P1.1 TP4.1 U1_D.16 U1_J.16 U1_K.16 U2_D.16 U2_J.16 U2_K.16 U3_D.16 U3_J.16 U3_K.16 U4_D.16 U4_J.16 U4_K.16 U5_D.1 U5_D.20 U5_J.1 U5_J.20 U5_K.1 U5_K.20 U6_D.1 U6_D.20 U6_J.1 U6_J.20 U6_K.1 U6_K.20 U7_D.14 U7_J.14 U7_K.14 U8.14 | length 20788.6
  Top Layer w20: C6_J.1 U6_J.20 1725,2075 C4_J.1 ; U5_J.20 C5_J.1 ; U1_J.16 1897.53,3352.47 1897.53,2997.53 U2_J.16 1897.53,2902.47 1897.53,2547.53 U3_J.16 1897.53,2452.47 1897.53,2097.53 U4_J.16 1897.53,2002.47 1897.53,1647.53 U7_J.14 1900,1550 1900,1149.47 v2(1899.86,1149.33) ; C6_K.1 U6_K.20 3225,2075 C4_K.1 ; U5_K.20 C5_K.1 ; U7_K.14 3397.53,1647.53 3397.53,2002.47 U4_K.16 3397.53,2097.53 3397.53,2452.47 U3_K.16 ; U3_K.16@3350,2510 3397.53,2557.53 3397.53,2912.47 U2_K.16@3355,2955 ; U2_K.16 U2_K.16@3355,2955 ; U2_K.16@3350,2960 U2_K.16@3355,2955 ; U1_K.16 3397.53,3352.47 3397.53,2997.53 U2_K.16@3355,2955 ; C6_D.1 U6_D.20 4725,2075 C4_D.1 ; U5_D.20 C5_D.1 ; U7_D.14 4897.53,1647.53 4897.53,2002.47 U4_D.16 4897.53,2097.53 4897.53,2452.47 U3_D.16 4897.53,2547.53 4897.53,2902.47 U2_D.16 4900,3000 4900,3350 U1_D.16 ; TP4.1 C8.1 U8.14 6150,2350 6150,1300 v2(6050,1200)
  Bottom Layer w20: P1.1 1182,1118 1868.53,1118 v2(1899.86,1149.33) 1900,1149.33 1900,1144.53 1926.53,1118 5968,1118 v2(6050,1200) ; C9.1 1155.63,3400 U5_J.1 U5_J.20 C1_J.1 U1_J.16 1910,3460 2740,3460 U5_K.1 U5_K.20 C1_K.1 U1_K.16 3410,3460 4240,3460 U5_D.1 U5_D.20 C1_D.1 U1_D.16 ; U6_J.1 U6_J.20 ; C7_J.1 U7_J.14 ; C4_J.1 U4_J.16 ; C3_J.1 U3_J.16 ; C2_J.1 U2_J.16 ; U6_K.1 U6_K.20 ; C7_K.1 U7_K.14 ; C4_K.1 U4_K.16 ; C3_K.1@3225,2510 U3_K.16@3350,2510 ; C2_K.1 U2_K.16 ; U6_D.1 U6_D.20 ; C7_D.1 U7_D.14 ; C4_D.1 U4_D.16 ; C3_D.1 U3_D.16 ; C2_D.1 U2_D.16
pads on no net: P1.20 U8.6

## Polygon pours and split planes (outlines as drawn)
GND on Bottom Layer "GND_L02_P001" (solid, remove dead copper, pour order 1): 1000,1000 1000,3700 6200,3700 6200,1000
GND on Top Layer "GND_L01_P000" (solid, remove dead copper, pour order 0): 1000,1000 1000,3700 6200,3700 6200,1000

## Keep-outs
Top Layer:
  rectangle: 1000,3600 6050,3700
  rectangle: 1000,1000 6050,1100
Bottom Layer:
  rectangle: 1000,1000 6050,1100
  rectangle: 1000,3600 6050,3700
Keep-Out Layer:
  the board outline again, w20

## Other copper
Top Layer:
  pour cut-out: 1145.47,3245.47 1000,3245.47 1000,1100 1150,1100
Bottom Layer:
  pour cut-out: 1004.53,3245.47 1150,3245.47 1150,1100 1000,1100

## Silkscreen, mask and mechanical layers (free items; w line width, h text height)
Top Overlay:
  lines w5: 1050,1100 6000,1100 ; 1100,3600 1450,3600 ; 1580,1180 1650,1250 1650,1435 1675,1460 ; 1775,3600 2650,3600 ; 2750,3600 2950,3600 ; 3275,3600 4150,3600 ; 4250,3600 4450,3600 ; 4750,3600 6000,3600
  text "Scratch Registers / Rev A    .print_date / E. SIMS" at 4850,3376.07 h45
Bottom Overlay:
  lines w5: 1050,1100 6000,1100 ; 1050,3600 6000,3600

## Text inside footprints (layer, text, board x,y; h text height)
C9: Top Overlay "+" at 1183.17,3402.12 h59.06 r270